# Allegro board MB1219_REVB_160112.brd (continued)
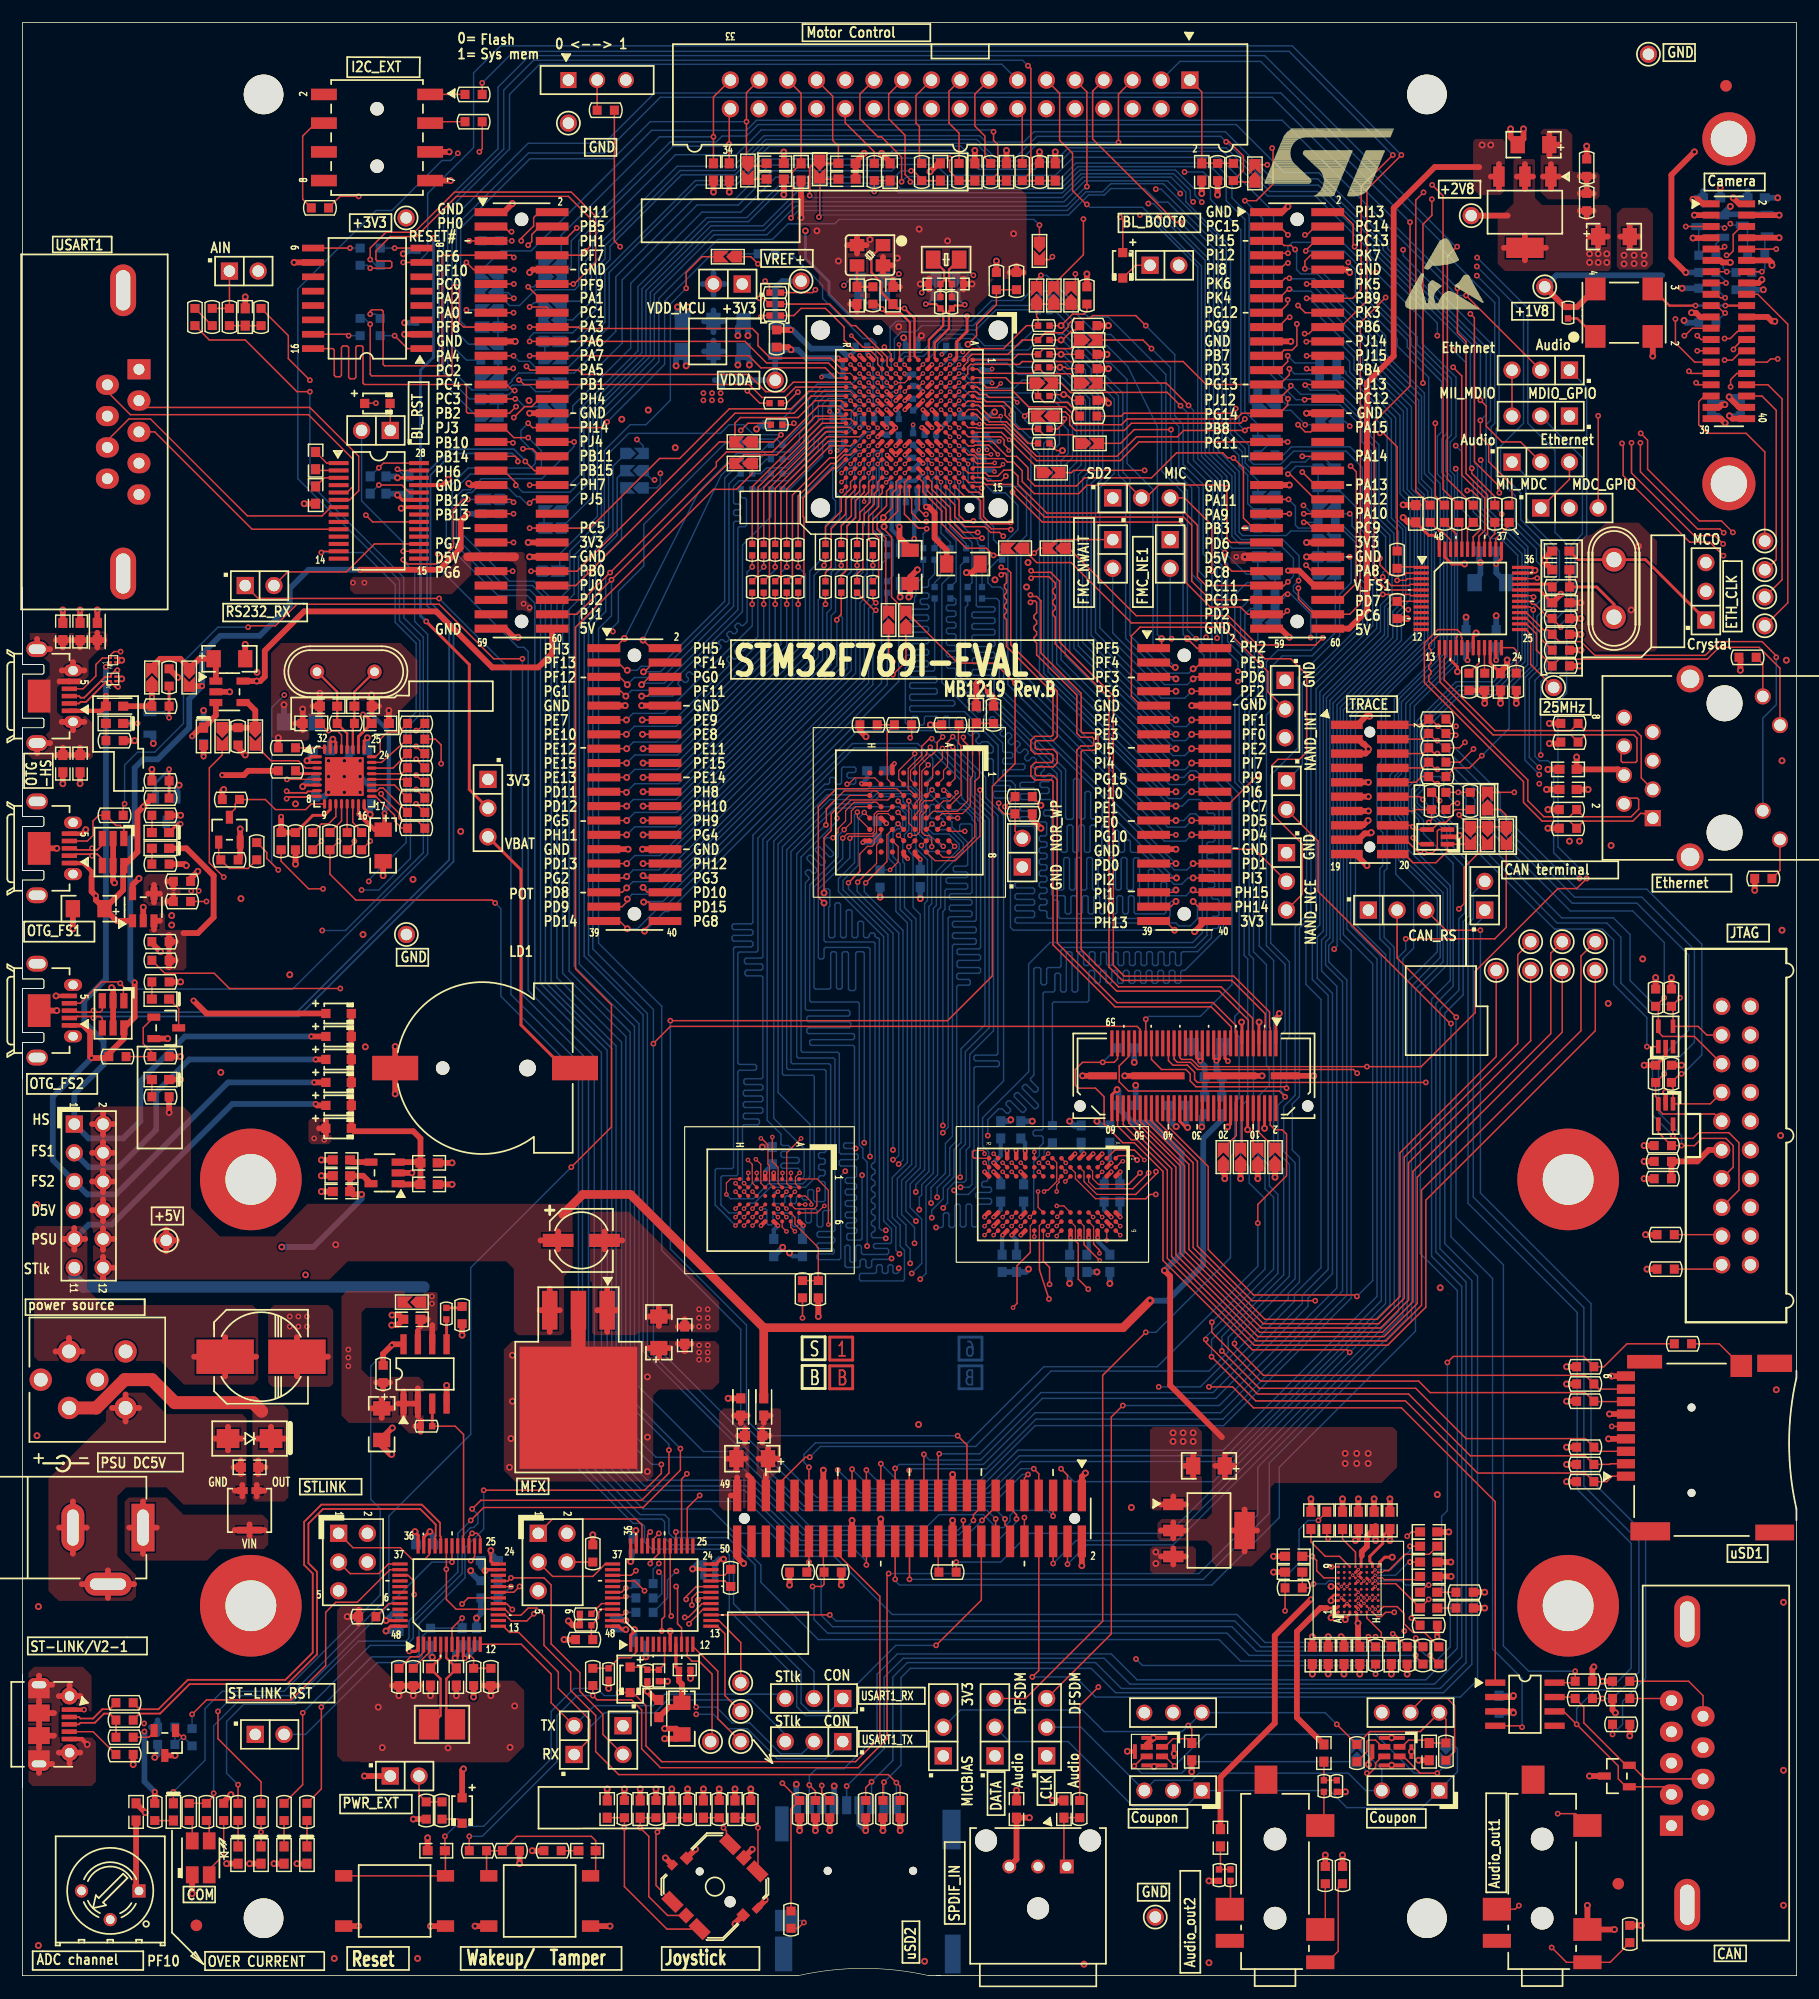
[diagram p0: board, top side]
## Routing (per net, layer and track width the routed paths; a pad name or vN(x,y) marks a point on that pad's centre or on a via; arc(x,y) is an arc through that point) (continued)
D13: length 152.1
  TOP w0.102: 74.03,97.79 74.03,99.2 74.7,99.87 75.1,99.87 75.31,100.08 75.31,100.45 75.91,101.06 U9.G6 ; v3(64.14,72.14) 64.52,71.75 64.52,71.14 64.52,71.14 64.52,70.1 U16.F2 ; U15.R1 84.27,72.29 ; 84.27,72.97 84.93,72.97 85.06,72.85 v3(85.06,72.69)
  TOP w0.127: R60.2 v1(75.18,124.71) ; v4(53.42,96.2) 53.03,95.81 CN10.35 ; v5(73.03,96.65) 73.41,97.03 73.41,97.05 74.03,97.67 74.03,97.79 ; 84.27,72.97 84.15,72.97 84.02,72.85 84.02,72.41 84.15,72.29 84.27,72.29
  L4_SIG w0.102: v3(85.06,72.69) 85.37,72.69 85.5,72.81 85.5,73.05 85.37,73.18 84.76,73.18 84.63,73.05 84.63,73.03 84.51,72.9 84.21,72.9 84.11,73 84.11,73.08 84,73.18 83.8,73.18 83.7,73.08 83.7,73 83.6,72.9 83.39,72.9 83.29,73 83.29,73.08 83.19,73.18 82.99,73.18 82.89,73.08 82.89,73 82.79,72.9 82.58,72.9 82.48,73 82.48,73.08 82.38,73.18 82.18,73.18 82.07,73.08 82.07,73 81.97,72.9 81.77,72.9 81.67,73 81.67,73.08 81.57,73.18 81.36,73.18 81.26,73.08 81.26,73 81.16,72.9 80.96,72.9 80.85,73 80.85,73.08 80.75,73.18 80.55,73.18 80.45,73.08 80.45,73 80.35,72.9 80.14,72.9 80.04,73 80.04,73.08 79.94,73.18 79.74,73.18 79.64,73.08 79.64,73 79.53,72.9 79.33,72.9 79.23,73 79.23,73.08 79.13,73.18 78.92,73.18 78.82,73.08 78.82,73 78.72,72.9 78.52,72.9 78.42,73 78.42,73.08 78.31,73.18 78.11,73.18 78.01,73.08 78.01,73 77.91,72.9 77.09,72.9 v1(76.96,73.03) 74.9,73.03 74.56,72.68 73.42,72.68 73.05,73.05 72.24,73.05 71.87,72.68 64.55,72.68 64.14,72.26 v3(64.14,72.14) ; v4(53.42,96.2) 53.42,95.89 53.54,95.76 57.68,95.76 57.78,95.66 57.78,94.51 57.88,94.41 58.08,94.41 58.19,94.51 58.19,95.51 58.3,95.63 58.47,95.63 58.59,95.51 58.59,94.51 58.69,94.41 58.9,94.41 59,94.51 59,95.38 59.12,95.5 59.29,95.5 59.4,95.38 59.4,94.51 59.51,94.41 59.71,94.41 59.81,94.51 59.81,95.66 59.91,95.76 60.12,95.76 60.22,95.66 60.22,94.51 60.32,94.41 60.52,94.41 60.62,94.51 60.62,95.66 60.73,95.76 60.93,95.76 61.03,95.66 61.03,94.51 61.13,94.41 61.33,94.41 61.44,94.51 61.44,95.66 61.54,95.76 61.74,95.76 61.84,95.66 61.84,94.51 61.94,94.41 62.15,94.41 62.25,94.51 62.25,95.66 62.35,95.76 62.55,95.76 62.66,95.66 62.66,94.51 62.76,94.41 62.96,94.41 63.06,94.51 63.06,95.66 63.16,95.76 63.37,95.76 63.47,95.66 63.47,94.51 63.57,94.41 63.77,94.41 63.87,94.51 63.87,95.66 63.98,95.76 64.18,95.76 64.28,95.66 64.28,94.51 64.38,94.41 64.59,94.41 64.69,94.51 64.69,95.66 64.79,95.76 64.99,95.76 65.09,95.66 65.09,94.51 65.2,94.41 65.4,94.41 65.5,94.51 65.5,95.66 65.6,95.76 65.81,95.76 65.91,95.66 65.91,94.54 66.03,94.41 66.22,94.41 66.34,94.54 66.34,95.68 66.47,95.81 69.65,95.81 69.77,95.94 69.77,96.52 70,96.75 72.92,96.75 v5(73.03,96.65)
  BOTTOM w0.127: v4(53.42,96.2) 53.42,96.2 53.98,96.75 56.62,96.75 74.42,114.55 74.42,121.25 74.8,121.64 74.8,123.44 75.18,123.83 v1(75.18,124.71) ; v5(73.03,96.65) 73.03,96.11 76.96,92.18 v1(76.96,73.03)
D14: length 145
  TOP w0.102: U9.F6 76.43,100.89 76.43,98.53 75.69,97.79 ; U16.F1 v3(64.92,70.99) ; v3(86.66,71.09) U15.N3
  TOP w0.127: v4(53.47,95.21) 53.47,95 53.01,94.54 CN10.37 ; R69.2 73.79,122.28 75.31,120.75 v1(75.44,120.75) ; 75.69,97.79 v5(74.55,96.65)
  L4_SIG w0.102: v4(53.47,95.21) 53.71,95.45 57.18,95.45 57.3,95.33 57.3,94.21 57.43,94.08 66.67,94.08 66.77,94.18 66.77,95.4 66.88,95.5 67.08,95.5 67.18,95.4 67.18,94.18 67.28,94.08 67.49,94.08 67.59,94.18 67.59,95.4 67.69,95.5 67.89,95.5 67.99,95.4 67.99,94.18 68.09,94.08 68.3,94.08 68.4,94.18 68.4,95.4 68.5,95.5 68.7,95.5 68.81,95.4 68.81,94.18 68.91,94.08 69.11,94.08 69.21,94.18 69.21,95.4 69.31,95.5 69.52,95.5 69.62,95.4 69.62,94.18 69.72,94.08 69.95,94.08 70.08,94.21 70.08,96.15 70.21,96.28 71.38,96.28 71.48,96.18 71.48,95 71.59,94.89 71.79,94.89 71.89,95 71.89,96.18 71.99,96.28 72.2,96.28 72.3,96.18 72.3,95 72.4,94.89 72.6,94.89 72.7,95 72.7,96.07 72.82,96.19 72.99,96.19 73.11,96.07 73.11,95 73.21,94.89 73.41,94.89 73.52,95 73.52,96.18 73.62,96.28 73.86,96.28 73.99,96.15 73.99,95.1 74.12,94.97 74.42,94.97 74.55,95.1 v5(74.55,96.65) ; v3(86.66,71.09) 86.97,71.09 87.1,71.21 87.1,71.37 86.97,71.5 84.61,71.5 84.18,71.93 82.12,71.93 81.99,71.81 81.99,71.4 81.86,71.27 81.69,71.27 81.56,71.4 81.56,71.81 81.43,71.93 81.28,71.93 81.15,71.81 81.15,71.4 81.03,71.27 77.6,71.27 77.46,71.41 v1(77.46,71.77) 77.27,71.58 71.78,71.58 71.64,71.72 65.39,71.72 64.92,71.24 v3(64.92,70.99)
  BOTTOM w0.127: v1(77.46,71.77) 77.85,72.16 77.85,92.43 74.42,95.86 74.42,96.52 v5(74.55,96.65) ; v4(53.47,95.21) 53.89,95.63 56.64,95.63 75.18,114.17 75.18,120.5 v1(75.44,120.75)
D15: length 144.3
  TOP w0.102: U16.G1 v3(64.16,70.99) ; U9.G7 75.51,99.97 75.51,98.37 74.93,97.79 ; v3(85.06,71.89) U15.R2
  TOP w0.127: 74.93,97.79 v5(73.84,96.7) ; v4(54.86,96.24) 54.86,96.19 55.24,95.81 CN10.36 ; v1(75.44,121.41) 75.18,121.67 R70.2
  L4_SIG w0.102: v4(54.86,96.24) 54.91,96.19 55.52,96.19 55.63,96.29 55.63,96.83 55.75,96.95 55.91,96.95 56.03,96.83 56.03,96.18 56.15,96.06 56.32,96.06 56.44,96.18 56.44,96.98 56.54,97.08 56.74,97.08 56.85,96.98 56.85,96.18 56.96,96.06 57.13,96.06 57.25,96.18 57.25,96.98 57.35,97.08 57.56,97.08 57.66,96.98 57.66,96.21 57.78,96.09 57.95,96.09 58.06,96.21 58.06,96.98 58.17,97.08 58.37,97.08 58.47,96.98 58.47,96.13 58.59,96.01 58.76,96.01 58.88,96.13 58.88,96.98 58.98,97.08 59.18,97.08 59.28,96.98 59.28,96 59.4,95.89 59.57,95.89 59.69,96 59.69,96.98 59.79,97.08 60,97.08 60.1,96.98 60.1,96.21 60.22,96.09 60.38,96.09 60.5,96.21 60.5,96.98 60.6,97.08 60.81,97.08 60.91,96.98 60.91,96.18 61.03,96.06 61.2,96.06 61.32,96.18 61.32,96.98 61.42,97.08 61.62,97.08 61.72,96.98 61.72,96.18 61.84,96.06 62.01,96.06 62.13,96.18 62.13,96.98 62.23,97.08 62.43,97.08 62.54,96.98 62.54,96.18 62.65,96.06 62.82,96.06 62.94,96.18 62.94,96.98 63.04,97.08 63.25,97.08 63.35,96.98 63.35,96.18 63.47,96.06 63.64,96.06 63.75,96.18 63.75,96.98 63.86,97.08 64.06,97.08 64.16,96.98 64.16,96.29 64.26,96.19 64.47,96.19 64.57,96.29 64.57,96.98 64.67,97.08 64.87,97.08 64.97,96.98 64.97,96.29 65.08,96.19 65.28,96.19 65.38,96.29 65.38,96.98 65.48,97.08 65.68,97.08 65.79,96.98 65.79,96.29 65.89,96.19 66.09,96.19 66.19,96.29 66.19,96.98 66.29,97.08 66.5,97.08 66.6,96.98 66.6,96.29 66.7,96.19 66.9,96.19 67.01,96.29 67.01,96.98 67.11,97.08 67.31,97.08 67.41,96.98 67.41,96.29 67.51,96.19 67.72,96.19 67.82,96.29 67.82,96.98 67.92,97.08 68.12,97.08 68.22,96.98 68.22,96.29 68.33,96.19 68.5,96.19 68.63,96.32 68.63,96.88 68.76,97 68.94,97 69.06,96.88 69.06,96.32 69.19,96.19 69.34,96.19 69.47,96.32 69.47,96.94 69.6,97.07 73.71,97.07 73.84,96.94 v5(73.84,96.7) ; v3(64.16,70.99) 64.16,71.02 65.15,72.01 76.81,72.01 v1(76.96,72.16) 77.06,72.26 77.9,72.26 78,72.16 78,71.7 78.1,71.6 78.3,71.6 78.4,71.7 78.4,72.17 78.52,72.29 78.69,72.29 78.81,72.17 78.81,71.7 78.91,71.6 79.12,71.6 79.22,71.7 79.22,72.17 79.34,72.29 79.5,72.29 79.62,72.17 79.62,71.7 79.72,71.6 79.91,71.6 80.04,71.73 80.04,72.06 80.16,72.19 80.34,72.19 80.47,72.06 80.47,71.73 80.59,71.6 80.72,71.6 80.85,71.73 80.85,72.13 80.98,72.26 84.36,72.26 84.73,71.89 v3(85.06,71.89)
  BOTTOM w0.127: v5(73.84,96.7) 73.79,96.65 73.79,95.9 77.47,92.22 77.47,72.54 77.09,72.16 v1(76.96,72.16) ; v1(75.44,121.41) 75.31,121.41 74.8,120.9 74.8,114.33 56.48,96.01 55.09,96.01 v4(54.86,96.24)
D16: length 129.3
  TOP w0.102: 93.85,65.01 93.85,66.29 U15.E8
  TOP w0.127: v1(70.87,124.71) 70.99,124.84 R57.1 ; v3(95.25,63.25) 93.85,64.64 93.85,65.01 ; CN10.22 v4(54.86,104.7)
  L4_SIG w0.102: v4(54.86,104.7) 54.46,104.7 54.03,105.13 52.63,105.13 51.66,104.17 51.66,91.37 51.77,91.27 52.08,91.27 52.2,91.15 52.2,90.98 52.08,90.86 51.77,90.86 51.66,90.76 51.66,90.55 51.77,90.45 52.92,90.45 53.04,90.33 53.04,90.17 52.92,90.05 51.77,90.05 51.66,89.94 51.66,89.74 51.77,89.64 53.73,89.64 53.85,89.52 53.85,89.35 53.73,89.23 51.77,89.23 51.66,89.13 51.66,84.45 55.75,80.37 55.75,70.71 66.62,59.84 88.9,59.84 92.3,63.25 92.98,63.25 93.08,63.14 93.08,62.71 93.19,62.61 93.39,62.61 93.49,62.71 93.49,63.14 93.59,63.25 93.8,63.25 93.9,63.14 93.9,62.71 94,62.61 94.2,62.61 94.3,62.71 94.3,63.14 94.41,63.25 v3(95.25,63.25)
  BOTTOM w0.127: v4(54.86,104.7) 57.93,104.7 69.98,116.74 69.98,123.83 v1(70.87,124.71)
D17: length 130.1
  TOP w0.102: v3(94.66,67.09) U15.D7
  TOP w0.127: CN10.26 v4(54.86,102.16) ; R58.1 v1(72.39,124.71)
  L4_SIG w0.102: v4(54.86,102.16) 54.18,102.16 53.59,102.74 52.96,102.74 52.27,102.06 52.27,92.08 54.46,89.89 54.46,86.97 54.36,86.87 52.43,86.87 52.32,86.77 52.32,86.56 52.43,86.46 54.16,86.46 54.28,86.34 54.28,86.17 54.16,86.06 52.43,86.06 52.32,85.95 52.32,85.75 52.43,85.65 54.08,85.65 54.2,85.53 54.2,85.36 54.08,85.24 52.43,85.24 52.32,85.14 52.32,84.76 56.52,80.57 56.52,70.92 66.95,60.48 88.6,60.48 92.51,64.39 95.76,64.39 96.27,64.9 96.27,65.66 95.89,66.04 95.89,66.57 95.78,66.67 95.07,66.67 v3(94.66,67.09)
  BOTTOM w0.127: v4(54.86,102.16) 57.71,102.16 71.5,115.95 71.5,120.27 71.88,120.65 71.88,123.95 72.39,124.46 v1(72.39,124.71)
D18: length 126.3
  TOP w0.102: 94.7,65.01 94.7,66.24 U15.D8
  TOP w0.127: v3(95.22,63.88) 95.22,64.16 94.7,64.68 94.7,65.01 ; R67.1 v1(70.99,121.28) ; CN10.24 v4(54.86,103.43)
  L4_SIG w0.102: v4(54.86,103.43) 54.18,103.43 53.59,104.01 52.83,104.01 51.97,103.15 51.97,91.87 54.15,89.69 54.15,89.02 54.05,88.91 52.07,88.91 51.97,88.81 51.97,88.61 52.07,88.51 54.05,88.51 54.15,88.41 54.15,88.2 54.05,88.1 52.07,88.1 51.97,88 51.97,87.8 52.07,87.7 54.05,87.7 54.15,87.59 54.15,87.39 54.05,87.29 52.07,87.29 51.97,87.19 51.97,84.66 56.13,80.49 56.13,70.84 66.83,60.15 88.72,60.15 92.46,63.88 v3(95.22,63.88)
  BOTTOM w0.127: v4(54.86,103.43) 57.81,103.43 70.74,116.36 70.74,121.03 v1(70.99,121.28)
D19: length 127.7
  TOP w0.102: v3(95.86,65.02) U15.B9
  TOP w0.127: CN10.27 v4(53.42,100.89) ; v1(72,119.9) 72,120 72.39,120.4 R68.1
  L4_SIG w0.102: v3(95.86,65.02) 95.61,64.77 92.46,64.77 88.47,60.78 67.08,60.78 56.9,70.97 56.9,80.62 54.79,82.73 54.79,83.49 54.69,83.59 54,83.59 53.9,83.69 53.9,83.89 54,84 54.69,84 54.79,84.1 54.79,84.3 54.69,84.4 53.13,84.4 53.01,84.52 53.01,84.69 53.13,84.81 54.69,84.81 54.79,84.91 54.79,85.95 54.89,86.05 56.27,86.05 56.39,86.17 56.39,86.33 56.27,86.45 54.89,86.45 54.79,86.56 54.79,86.76 54.89,86.86 56.27,86.86 56.39,86.98 56.39,87.15 56.27,87.27 54.89,87.27 54.79,87.37 54.79,87.57 54.89,87.67 56.27,87.67 56.39,87.79 56.39,87.96 56.27,88.08 54.89,88.08 54.79,88.18 54.79,88.38 54.89,88.49 55.8,88.49 55.91,88.59 55.91,88.79 55.8,88.89 54.89,88.89 54.79,88.99 54.79,89.2 54.89,89.3 55.19,89.3 55.32,89.43 55.32,89.58 55.19,89.7 54.89,89.7 54.79,89.81 54.79,90.09 52.58,92.3 52.58,100.05 v4(53.42,100.89)
  BOTTOM w0.127: v4(53.42,100.89) 54.13,101.6 57.73,101.6 72,115.86 v1(72,119.9)
D20: length 130.4
  TOP w0.102: v3(95.46,66.29) U15.C8
  TOP w0.127: R59.1 v1(73.79,124.71) ; CN10.32 v4(54.86,98.35)
  L4_SIG w0.102: v4(54.86,98.35) 54.15,99.06 53.42,99.06 52.88,98.53 52.88,92.46 56.77,88.57 56.77,85 56.65,84.89 55.19,84.89 55.09,84.78 55.09,84.58 55.19,84.48 56.65,84.48 56.77,84.36 56.77,84.19 56.65,84.07 55.19,84.07 55.09,83.97 55.09,83.77 55.19,83.67 57.03,83.67 57.15,83.55 57.15,83.38 57.03,83.26 55.19,83.26 55.09,83.16 55.09,82.96 55.19,82.85 57.15,82.85 57.28,82.73 57.28,71.09 67.21,61.16 88.37,61.16 92.25,65.05 92.25,66.4 92.38,66.52 92.66,66.52 92.79,66.4 92.79,65.74 92.91,65.61 93.17,65.61 93.29,65.74 93.29,66.4 93.42,66.52 93.63,66.52 93.76,66.4 93.76,65.68 93.86,65.58 94.06,65.58 94.16,65.68 94.16,66.43 94.28,66.55 94.45,66.55 94.57,66.43 94.57,65.68 94.67,65.58 94.88,65.58 94.98,65.68 94.98,66.19 95.08,66.29 v3(95.46,66.29)
  BOTTOM w0.127: v1(73.79,124.71) 73.79,124.15 73.27,123.63 73.27,115.44 56.18,98.35 v4(54.86,98.35)
D21: length 127.9
  TOP w0.102: v3(97.06,65.49) U15.A9
  TOP w0.127: CN11.39 101.04,93.27 v4(101.85,92.46)
  L4_SIG w0.102: v4(101.85,92.46) 101.85,91.87 98.3,88.32 98.3,82.55 98.42,82.42 98.93,82.42 99.06,82.3 99.06,82.04 98.93,81.91 98.15,81.91 98.04,81.81 98.04,81.61 98.15,81.51 98.96,81.51 99.06,81.4 99.06,80.06 98.96,79.96 98.53,79.96 98.42,79.86 98.42,79.65 98.53,79.55 98.96,79.55 99.06,79.45 99.06,77.85 98.96,77.75 98.53,77.75 98.42,77.65 98.42,77.44 98.53,77.34 98.96,77.34 99.06,77.24 99.06,77.04 98.96,76.94 98.53,76.94 98.42,76.83 98.42,76.63 98.53,76.53 98.96,76.53 99.06,76.43 99.06,76.2 98.93,76.07 97.89,76.07 97.76,75.95 97.76,68.4 96.65,67.28 96.65,65.9 v3(97.06,65.49)
  BOTTOM w0.127: v4(101.85,92.46) 87.6,92.46 87.35,92.71 87.35,104.02 87.22,104.14 86,104.14 85.83,104.32 85.83,104.61 85.95,104.74 87.22,104.74 87.35,104.87 87.35,105.12 87.22,105.25 85.95,105.25 85.83,105.38 85.83,107.49 85.7,107.62 85.19,107.62 85.06,107.75 85.06,108 85.19,108.13 85.7,108.13 85.83,108.25 85.83,108.64 85.34,109.12 84.83,109.12 84.67,108.96 84.49,108.96 84.31,109.14 84.31,109.32 84.58,109.6 84.58,109.78 84.41,109.96 84.23,109.96 83.95,109.68 83.77,109.68 83.59,109.86 83.59,110.04 83.75,110.2 83.75,110.38 83.52,110.62 83.2,110.62 83.08,110.74 83.08,111.15 82.95,111.28 82.69,111.28 82.57,111.15 82.57,110.31 82.44,110.19 82.06,110.19 81.93,110.31 81.93,111.25 81.81,111.38 81.55,111.38 81.43,111.25 81.43,110.74 81.3,110.62 81.05,110.62 80.92,110.74 80.92,111.25 80.79,111.38 79.86,111.38 79.73,111.25 79.73,110.74 79.6,110.62 79.35,110.62 79.22,110.74 79.22,111.25 79.1,111.38 78.74,111.38 78.61,111.25 78.61,110.82 78.49,110.69 78.18,110.69 78.05,110.82 78.05,115.64 78.18,115.76 79.98,115.76 80.11,115.89 80.11,116.14 79.98,116.27 78.18,116.27 78.05,116.4 78.05,116.65 78.18,116.78 79.98,116.78 80.11,116.91 80.11,117.16 79.98,117.29 78.18,117.29 78.05,117.41 78.05,117.67 78.18,117.8 79.98,117.8 80.11,117.92 80.11,118.18 79.98,118.3 78.18,118.3 78.05,118.43 78.05,118.68 78.18,118.81 79.98,118.81 80.11,118.94 80.11,119.19 79.98,119.32 78.18,119.32 78.05,119.45 78.05,119.7 78.18,119.83 79.98,119.83 80.11,119.95 80.11,120.21 79.98,120.34 78.18,120.34 78.05,120.46 78.05,120.72 78.18,120.84 80.01,120.84 80.14,120.97 80.14,121.14 80.01,121.27 79.5,121.27 79.38,121.39 79.38,121.65 79.5,121.78 80.01,121.78 80.14,121.9 80.14,122.16 80.01,122.28 79.63,122.28 79.5,122.41 79.5,122.66 79.63,122.79 79.98,122.79 80.11,122.92 80.11,123.42 80.64,123.95 R276.1
D22: length 124.1
  TOP w0.102: v3(95.46,67.09) U15.C7
  TOP w0.127: v4(103.5,95) 103.96,94.54 CN11.38
  L4_SIG w0.102: v3(95.46,67.09) 96.7,68.33 96.7,69 96.8,69.1 97.1,69.1 97.21,69.2 97.21,69.41 97.1,69.51 96.8,69.51 96.7,69.61 96.7,69.81 96.8,69.91 97.1,69.91 97.21,70.02 97.21,70.22 97.1,70.32 96.8,70.32 96.7,70.42 96.7,77.6 96.83,77.72 97.41,77.72 97.54,77.85 97.54,78.87 97.41,78.99 96.83,78.99 96.7,79.12 96.7,90.48 101.73,95.5 103,95.5 v4(103.5,95)
  BOTTOM w0.127: v4(103.5,95) 103.89,94.61 103.89,93.47 103.25,92.84 102.23,92.84 101.98,93.09 87.88,93.09 87.76,93.22 87.76,93.45 87.88,93.57 89.36,93.57 89.48,93.7 89.48,94.04 89.36,94.17 87.88,94.17 87.76,94.29 87.76,94.55 87.88,94.67 89.36,94.67 89.48,94.8 89.48,95.05 89.36,95.18 87.88,95.18 87.76,95.31 87.76,95.56 87.88,95.69 89.36,95.69 89.48,95.82 89.48,96.07 89.36,96.2 87.88,96.2 87.76,96.32 87.76,96.58 87.88,96.71 89.36,96.71 89.48,96.83 89.48,101.52 89.36,101.65 87.91,101.65 87.78,101.78 87.78,105.28 87.39,105.67 86.39,105.67 86.26,105.8 86.26,108.81 83.29,111.79 78.56,111.79 78.44,111.91 78.44,112.17 78.56,112.29 82.3,112.29 82.42,112.42 82.42,112.65 82.3,112.78 78.56,112.78 78.44,112.9 78.44,113.2 78.56,113.33 80.75,113.33 80.87,113.45 80.87,113.71 80.75,113.84 78.56,113.84 78.44,113.96 78.44,114.22 78.56,114.34 80.72,114.34 80.85,114.47 80.85,114.72 80.72,114.85 78.56,114.85 78.44,114.98 78.44,115.23 78.56,115.36 80.52,115.36 80.64,115.49 R286.1
D23: length 123.6
  TOP w0.102: v3(97.06,66.29) U15.A8
  TOP w0.127: v4(103.5,96.01) 103.71,95.81 CN11.36
  L4_SIG w0.102: v4(103.5,96.01) 103.76,96.01 104.17,95.61 104.17,93.6 98.68,88.11 98.68,83.57 99.44,82.8 99.44,76.07 98.07,74.7 98.07,67.3 v3(97.06,66.29)
  BOTTOM w0.127: R285.1 82.42,121.79 82.52,121.69 82.52,121.34 82.4,121.21 81.81,121.21 81.69,121.08 81.69,120.83 81.81,120.7 82.4,120.7 82.52,120.57 82.52,120.32 82.4,120.19 81.81,120.19 81.69,120.07 81.69,119.81 81.81,119.68 82.4,119.68 82.52,119.56 82.52,119.3 82.4,119.18 81.81,119.18 81.69,119.05 81.69,118.8 81.81,118.67 82.4,118.67 82.52,118.54 82.52,118.29 82.4,118.16 81.81,118.16 81.69,118.03 81.69,117.78 81.81,117.65 82.4,117.65 82.52,117.53 82.52,117.27 82.4,117.14 81.81,117.14 81.69,117.02 81.69,116.76 81.81,116.64 82.4,116.64 82.52,116.51 82.52,116.26 82.4,116.13 81.81,116.13 81.69,116 81.69,115.75 81.81,115.62 82.4,115.62 82.52,115.49 82.52,114.66 83.15,114.03 83.15,113.85 82.85,113.54 82.85,113.36 83.03,113.18 83.21,113.18 83.51,113.49 83.69,113.49 83.87,113.31 83.87,113.13 83.57,112.83 83.57,112.65 83.75,112.47 83.93,112.47 84.23,112.77 84.41,112.77 84.59,112.59 84.59,112.41 84.29,112.11 84.29,111.93 84.47,111.75 84.65,111.75 84.95,112.05 85.13,112.05 85.31,111.87 85.31,111.69 85.01,111.39 85.01,111.21 85.19,111.03 85.37,111.03 85.67,111.33 85.85,111.33 86.03,111.15 86.03,110.97 85.73,110.67 85.73,110.49 85.91,110.31 86.09,110.31 86.39,110.61 86.57,110.61 86.75,110.43 86.75,110.25 86.45,109.95 86.45,109.77 86.62,109.59 86.8,109.59 87.11,109.89 87.29,109.89 87.47,109.71 87.47,109.53 87.16,109.23 87.16,109.05 87.34,108.87 87.52,108.87 87.83,109.17 88.01,109.17 88.19,108.99 88.19,108.81 87.88,108.51 87.88,108.33 88.06,108.15 88.24,108.15 88.54,108.46 88.72,108.46 88.9,108.28 88.9,108.1 88.6,107.79 88.6,107.61 88.78,107.43 88.96,107.43 89.26,107.74 89.44,107.74 89.62,107.56 89.62,107.38 89.32,107.07 89.32,106.89 89.5,106.72 89.68,106.72 89.98,107.02 90.16,107.02 90.34,106.84 90.34,106.66 90.04,106.36 90.04,106.18 90.22,106 90.4,106 90.7,106.3 90.88,106.3 91.06,106.12 91.06,105.94 90.71,105.59 90.09,105.59 89.97,105.46 89.97,105.21 90.09,105.08 90.63,105.08 90.76,104.95 90.76,104.67 90.63,104.55 90.09,104.55 89.97,104.42 89.97,104.14 90.09,104.01 90.86,104.01 90.98,103.89 90.98,103.2 90.86,103.07 90.4,103.07 90.27,102.94 90.27,102.69 90.4,102.56 90.86,102.56 90.98,102.44 90.98,95.63 91.11,95.5 92.06,95.5 92.19,95.38 92.19,94.03 92.32,93.9 92.57,93.9 92.7,94.03 92.7,95.38 92.83,95.5 93.08,95.5 93.21,95.38 93.21,94.03 93.33,93.9 93.59,93.9 93.71,94.03 93.71,95.38 93.84,95.5 94.1,95.5 94.22,95.38 94.22,94.03 94.35,93.9 94.6,93.9 94.73,94.03 94.73,95.38 94.86,95.5 95.11,95.5 95.24,95.38 95.24,94.03 95.37,93.9 95.62,93.9 95.75,94.03 95.75,95.38 95.87,95.5 96.13,95.5 96.25,95.38 96.25,94.03 96.38,93.9 96.64,93.9 96.76,94.03 96.76,95.38 96.89,95.5 97.14,95.5 97.27,95.38 97.27,94.03 97.4,93.9 97.65,93.9 97.78,94.03 97.78,95.38 97.91,95.5 98.16,95.5 98.29,95.38 98.29,94.03 98.41,93.9 100.97,93.9 101.09,94.03 101.09,95.38 101.22,95.5 102.87,95.5 103.38,96.01 v4(103.5,96.01)
D24: length 128.7
  TOP w0.127: v4(101.98,95.01) 101.85,94.88 101.85,94.87 101.52,94.54 CN11.37 ; U15.A2 97.2,72.03 v3(97.28,72.03)
  L4_SIG w0.102: v3(97.28,72.03) 97.28,76.83 97.41,76.96 97.79,76.96 97.92,77.09 97.92,78.99 98.04,79.12 98.04,80.01 97.92,80.14 97.53,80.14 97.4,80.26 97.4,88.05 97.14,88.31 97.14,88.45 97.28,88.6 97.43,88.6 97.69,88.34 97.83,88.34 98.01,88.51 98.01,88.65 97.06,89.6 97.06,89.77 97.18,89.89 97.35,89.89 98.3,88.94 98.44,88.94 98.59,89.09 98.59,89.23 97.42,90.39 97.42,90.54 97.56,90.68 97.71,90.68 98.87,89.52 99.02,89.52 99.17,89.67 99.17,89.81 98.03,90.95 98.03,91.1 98.17,91.24 98.32,91.24 99.46,90.1 99.6,90.1 99.74,90.24 99.74,90.39 98.61,91.53 98.61,91.67 98.75,91.81 98.89,91.81 100.03,90.68 100.18,90.68 100.32,90.82 100.32,90.96 99.18,92.1 99.18,92.25 99.32,92.39 99.47,92.39 100.61,91.25 100.75,91.25 100.89,91.39 100.89,91.54 99.76,92.68 99.76,92.82 99.9,92.96 100.04,92.96 101.18,91.83 101.33,91.83 101.47,91.97 101.47,92.11 100.33,93.25 100.33,93.4 100.47,93.54 100.62,93.54 101.31,92.85 101.48,92.85 101.6,92.96 101.6,93.13 100.91,93.83 100.91,93.97 101.94,95.01 v4(101.98,95.01)
  BOTTOM w0.127: v4(101.98,95.01) 101.97,95 101.55,95 101.47,94.92 101.47,93.75 101.22,93.5 91.74,93.5 91.61,93.62 91.61,95 91.48,95.12 91.23,95.12 91.1,95 91.1,93.62 90.97,93.5 90.7,93.5 90.58,93.62 90.58,94.06 90.45,94.19 90.02,94.19 89.89,94.32 89.89,94.57 90.02,94.7 90.45,94.7 90.58,94.82 90.58,95.08 90.45,95.21 90.02,95.21 89.89,95.33 89.89,95.59 90.02,95.71 90.45,95.71 90.58,95.84 90.58,96.09 90.45,96.22 90.02,96.22 89.89,96.35 89.89,96.6 90.02,96.73 90.45,96.73 90.58,96.86 90.58,97.11 90.45,97.24 90.02,97.24 89.89,97.36 89.89,97.62 90.02,97.75 90.45,97.75 90.58,97.87 90.58,98.13 90.45,98.25 90.02,98.25 89.89,98.38 89.89,98.63 90.02,98.76 90.45,98.76 90.58,98.89 90.58,99.14 90.45,99.27 90.02,99.27 89.89,99.4 89.89,99.65 90.02,99.78 90.45,99.78 90.58,99.9 90.58,100.16 90.45,100.29 90.02,100.29 89.89,100.41 89.89,100.67 90.02,100.79 90.42,100.79 90.55,100.92 90.55,101.9 90.42,102.03 88.32,102.03 88.19,102.16 88.19,102.36 88.32,102.49 89.41,102.49 89.53,102.62 89.53,102.87 89.41,103 88.32,103 88.19,103.12 88.19,103.38 88.32,103.51 89.41,103.51 89.53,103.63 89.53,103.89 89.41,104.01 88.32,104.01 88.19,104.14 88.19,104.39 88.32,104.52 89.41,104.52 89.53,104.65 89.53,104.9 89.41,105.03 88.32,105.03 88.19,105.16 88.19,105.41 88.32,105.54 89.41,105.54 89.53,105.66 89.53,105.97 89.41,106.1 86.79,106.1 86.66,106.22 86.66,106.53 86.79,106.65 88.49,106.65 88.62,106.78 88.62,107.04 88.49,107.16 86.79,107.16 86.66,107.29 86.66,107.54 86.79,107.67 87.43,107.67 87.55,107.8 87.55,108.05 87.43,108.18 86.79,108.18 86.66,108.31 86.66,108.99 81.28,114.38 81.28,123.06 82.17,123.95 82.17,125.09 R275.1
D25: length 129.4
  TOP w0.102: v3(95.46,71.09) U15.C3
  TOP w0.127: v4(101.98,96.01) 101.78,95.81 CN11.35
  L4_SIG w0.102: v3(95.46,71.09) 95.46,69.32 95.59,69.19 95.78,69.19 95.9,69.32 95.9,72.04 96.29,72.42 96.29,85.29 96.19,85.4 95.1,85.4 95,85.5 95,85.7 95.1,85.8 96.19,85.8 96.29,85.9 96.29,90.6 101.7,96.01 v4(101.98,96.01)
  BOTTOM w0.127: R274.1 82.93,124.71 82.93,114.83 91.47,106.3 91.47,96.14 91.59,96.01 91.93,96.01 92.06,96.14 92.06,98.76 92.19,98.88 92.44,98.88 92.57,98.76 92.57,96.14 92.7,96.01 92.95,96.01 93.08,96.14 93.08,98.76 93.2,98.88 93.46,98.88 93.59,98.76 93.59,96.14 93.71,96.01 93.97,96.01 94.09,96.14 94.09,98.76 94.22,98.88 94.47,98.88 94.6,98.76 94.6,96.14 94.73,96.01 94.98,96.01 95.11,96.14 95.11,98.76 95.24,98.88 95.49,98.88 95.62,98.76 95.62,96.14 95.74,96.01 96,96.01 96.13,96.14 96.13,98.76 96.25,98.88 96.51,98.88 96.63,98.76 96.63,96.14 96.76,96.01 97.01,96.01 97.14,96.14 97.14,98.76 97.27,98.88 97.52,98.88 97.65,98.76 97.65,96.14 97.78,96.01 98.09,96.01 98.22,96.14 98.22,98.73 98.35,98.86 98.63,98.86 98.76,98.73 98.76,94.44 98.88,94.31 99.42,94.31 99.54,94.44 99.54,97.71 99.67,97.84 99.92,97.84 100.05,97.71 100.05,94.44 100.18,94.31 100.53,94.31 100.66,94.44 100.66,96.6 100.79,96.72 101.04,96.72 101.17,96.6 101.17,96.14 101.3,96.01 v4(101.98,96.01)
D26: length 128.7
  TOP w0.127: U15.A1 96.67,72.29 96.9,72.52 98.17,72.52 v1(98.55,72.14) ; CN11.33 v4(102.03,97.08)
  L4_SIG w0.102: v1(98.55,72.14) 98.7,72.29 98.7,74.68 99.06,75.04 99.06,75.06 99.82,75.82 99.82,83.48 99.72,83.58 99.16,83.58 99.06,83.68 99.06,83.88 99.16,83.99 99.72,83.99 99.82,84.09 99.82,85.27 99.72,85.37 99.16,85.37 99.06,85.47 99.06,85.67 99.16,85.78 99.72,85.78 99.82,85.88 99.82,86.08 99.72,86.18 99.16,86.18 99.06,86.28 99.06,86.49 99.16,86.59 99.72,86.59 99.82,86.69 99.82,86.89 99.72,87 99.16,87 99.06,87.1 99.06,87.3 99.16,87.4 99.72,87.4 100.13,87.81 100.13,87.95 99.7,88.38 99.7,88.53 99.85,88.67 99.99,88.67 100.42,88.24 100.56,88.24 100.7,88.39 100.7,88.53 100.28,88.96 100.28,89.1 100.42,89.24 100.56,89.24 100.99,88.82 101.14,88.82 101.28,88.96 101.28,89.1 100.85,89.53 100.85,89.68 101,89.82 101.14,89.82 101.57,89.39 101.71,89.39 101.85,89.54 101.85,89.68 101.43,90.11 101.43,90.25 101.57,90.39 101.71,90.39 102.14,89.97 102.29,89.97 102.43,90.11 102.43,90.25 102,90.68 102,90.83 102.15,90.97 102.29,90.97 102.72,90.54 102.86,90.54 103,90.69 103,90.83 102.58,91.26 102.58,91.4 102.72,91.54 102.86,91.54 103.29,91.12 103.44,91.12 104.6,92.28 104.6,99.95 104.47,100.08 104.22,100.08 104.09,99.95 104.09,97.87 103.96,97.74 103.07,97.74 102.95,97.61 102.95,97.21 102.82,97.08 v4(102.03,97.08)
  BOTTOM w0.127: R273.1 84.33,124.71 84.33,121.18 84.45,121.06 85.85,121.06 85.98,120.93 85.98,120.72 85.85,120.59 84.07,120.59 83.95,120.46 83.95,120.21 84.07,120.08 85.85,120.08 85.98,119.96 85.98,119.7 85.85,119.58 84.07,119.58 83.95,119.45 83.95,119.19 84.07,119.07 85.85,119.07 85.98,118.94 85.98,118.69 85.85,118.56 84.07,118.56 83.95,118.43 83.95,118.18 84.07,118.05 85.85,118.05 85.98,117.92 85.98,117.67 85.85,117.54 84.1,117.54 83.97,117.42 83.97,117.16 84.1,117.04 85.85,117.04 85.98,116.91 85.98,116.65 85.85,116.53 84.1,116.53 83.97,116.4 83.97,116.15 84.1,116.02 85.85,116.02 85.98,115.89 85.98,115.64 85.85,115.51 84.07,115.51 83.95,115.38 83.95,115.13 84.07,115 85.53,115 85.91,114.62 85.91,112.97 92.23,106.65 92.23,102.39 92.35,102.26 92.79,102.26 92.92,102.39 92.92,105.74 93.05,105.87 93.3,105.87 93.43,105.74 93.43,102.41 93.56,102.29 93.81,102.29 93.94,102.41 93.94,104.6 94.06,104.72 94.32,104.72 94.45,104.6 94.45,102.41 94.57,102.29 94.83,102.29 94.95,102.41 94.95,103.58 95.08,103.71 95.33,103.71 95.46,103.58 95.46,102.41 95.59,102.29 96.6,102.29 101.8,97.08 v4(102.03,97.08)
